# Altium PCB CMRat_GEN2.8.PcbDoc (part 1 of 4)
Units mm, origin at the board's own origin, x right, y up, seen from the top; angles counter-clockwise.
Board outline 120 x 55 mm, 4 copper layers (L1 [TOP], L2, L3, L4 [BOT]), stack 1.564 mm thick; 209 components, 138 nets, 839 pads, 645 vias.
Unrouted connection lines stored in the file: 141.
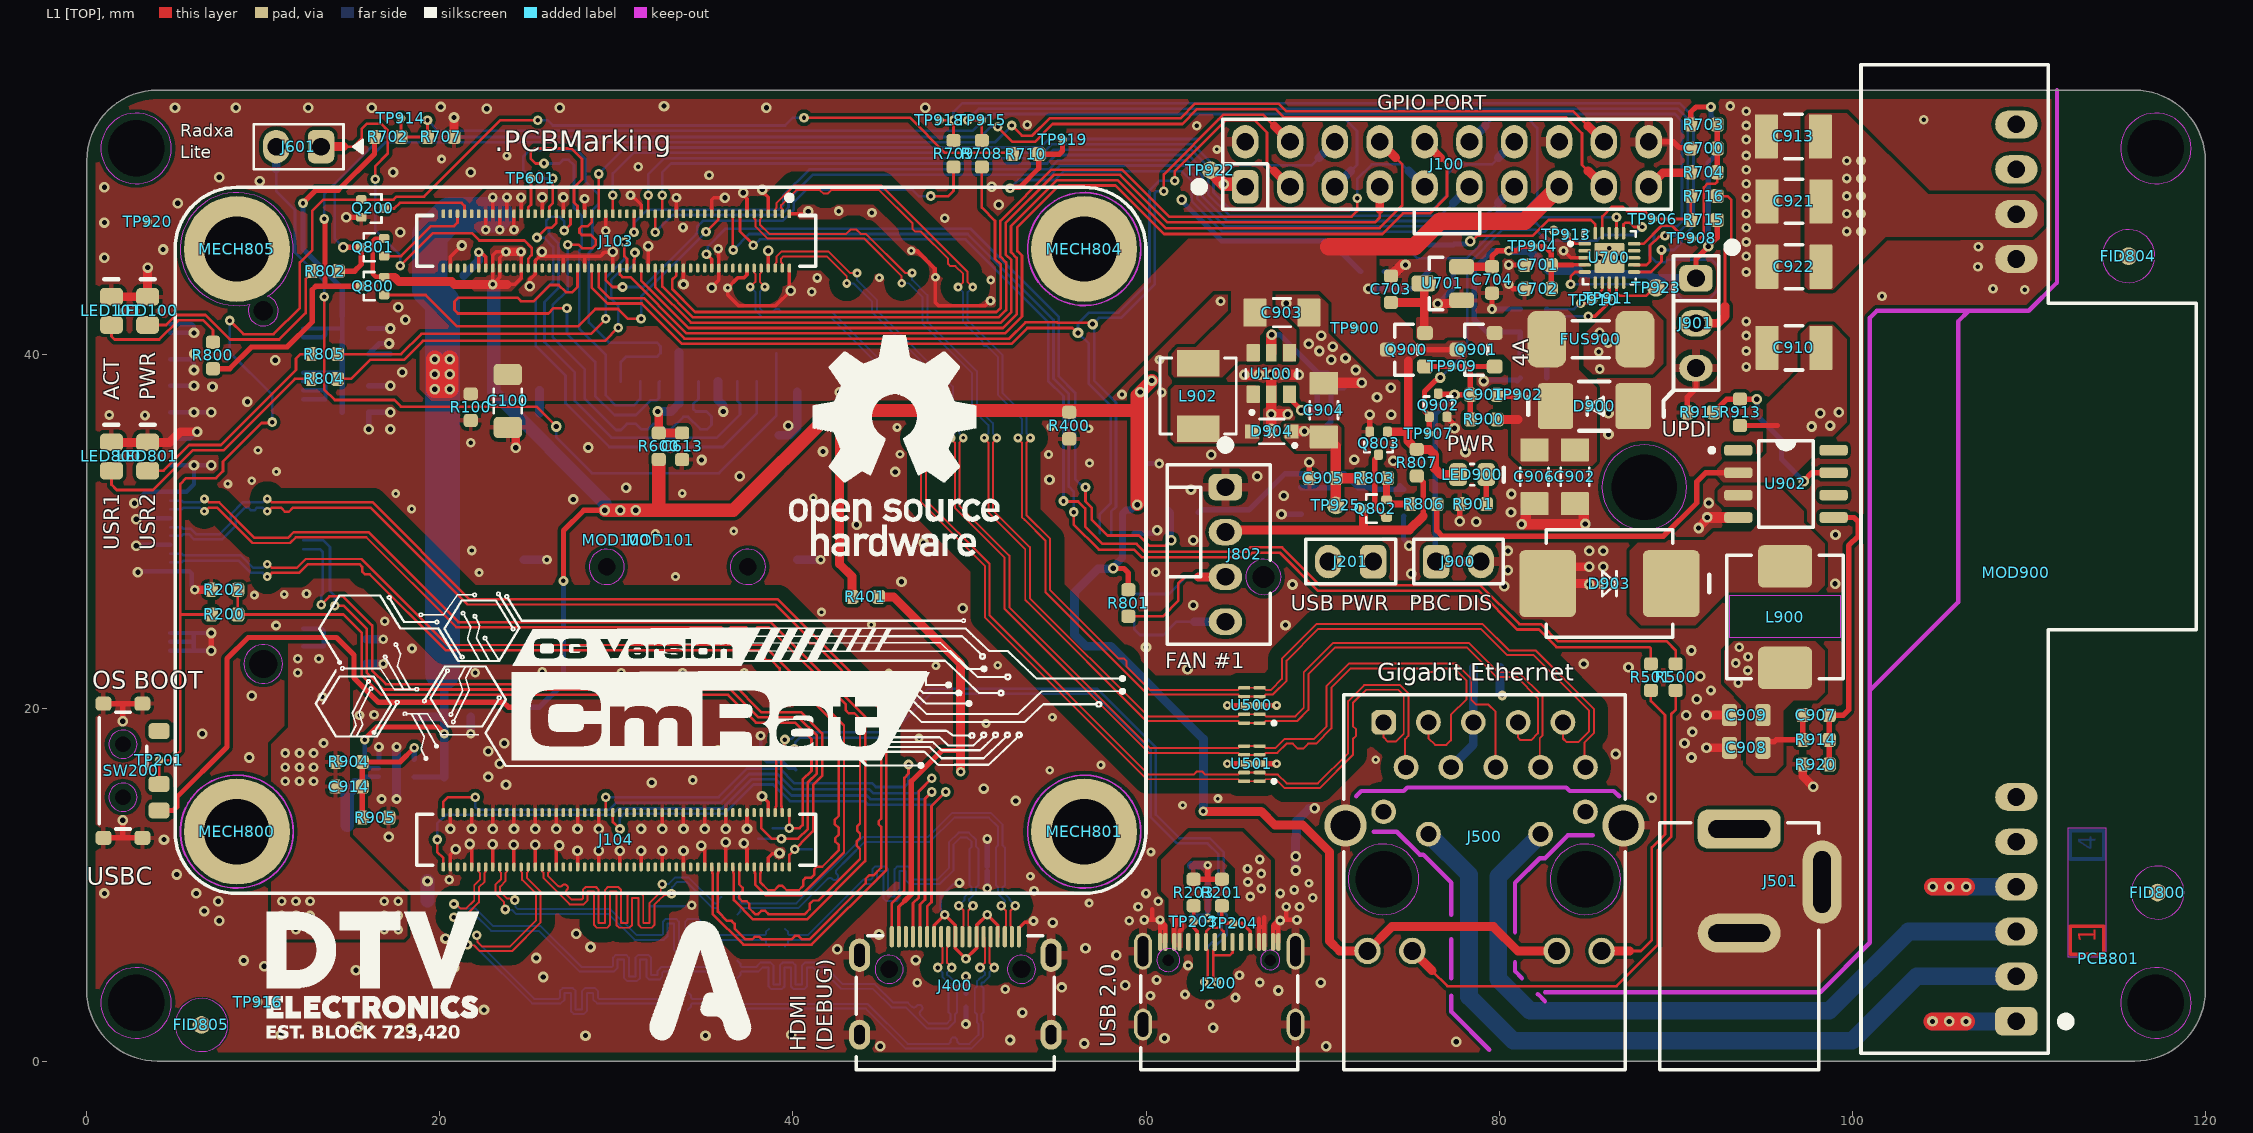
[diagram p0: L1 [TOP] view]
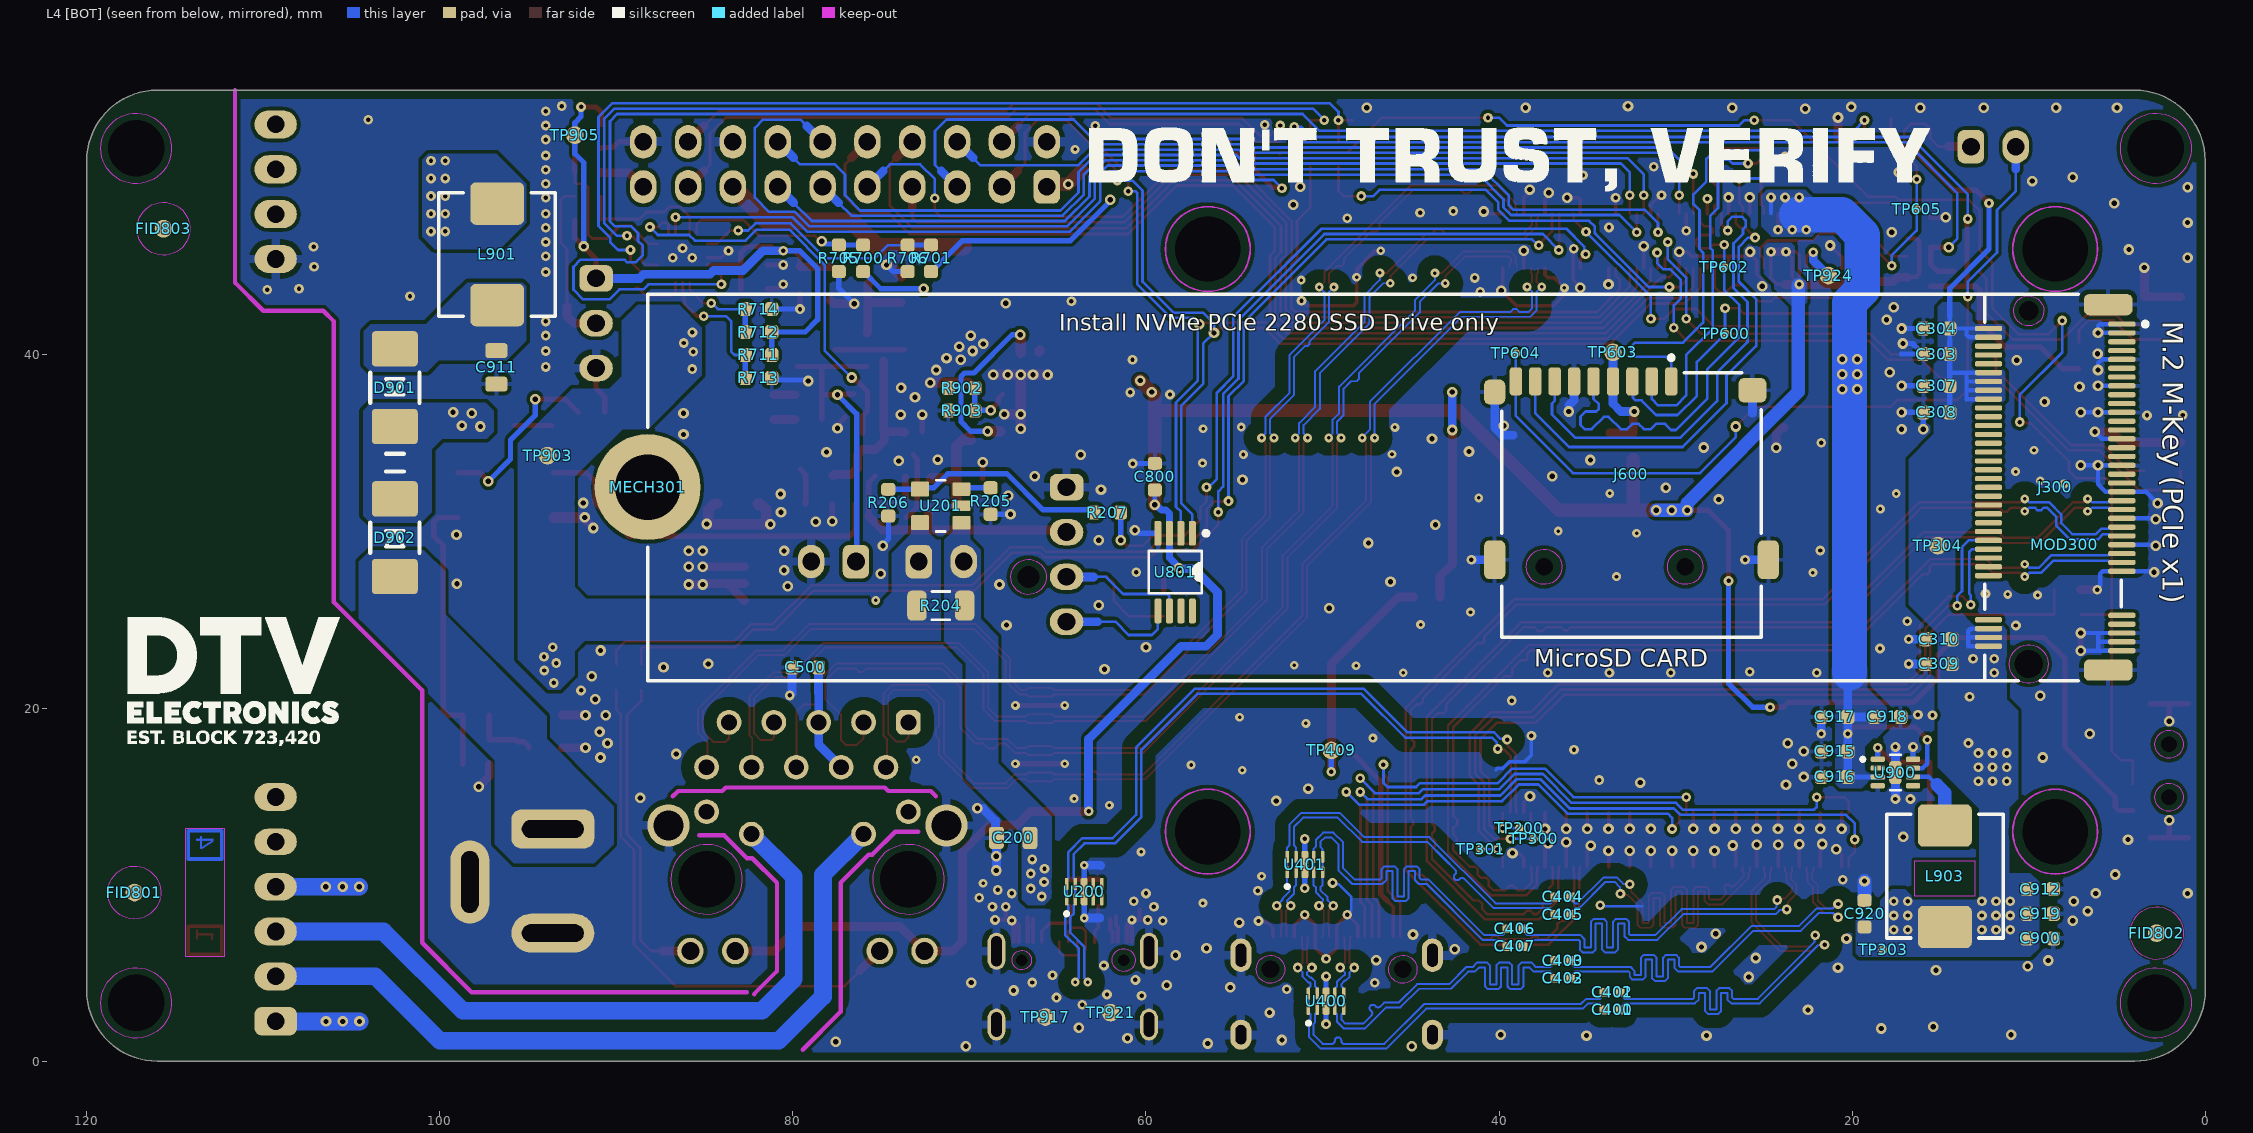
[diagram p1: L4 [BOT] view, seen from below]
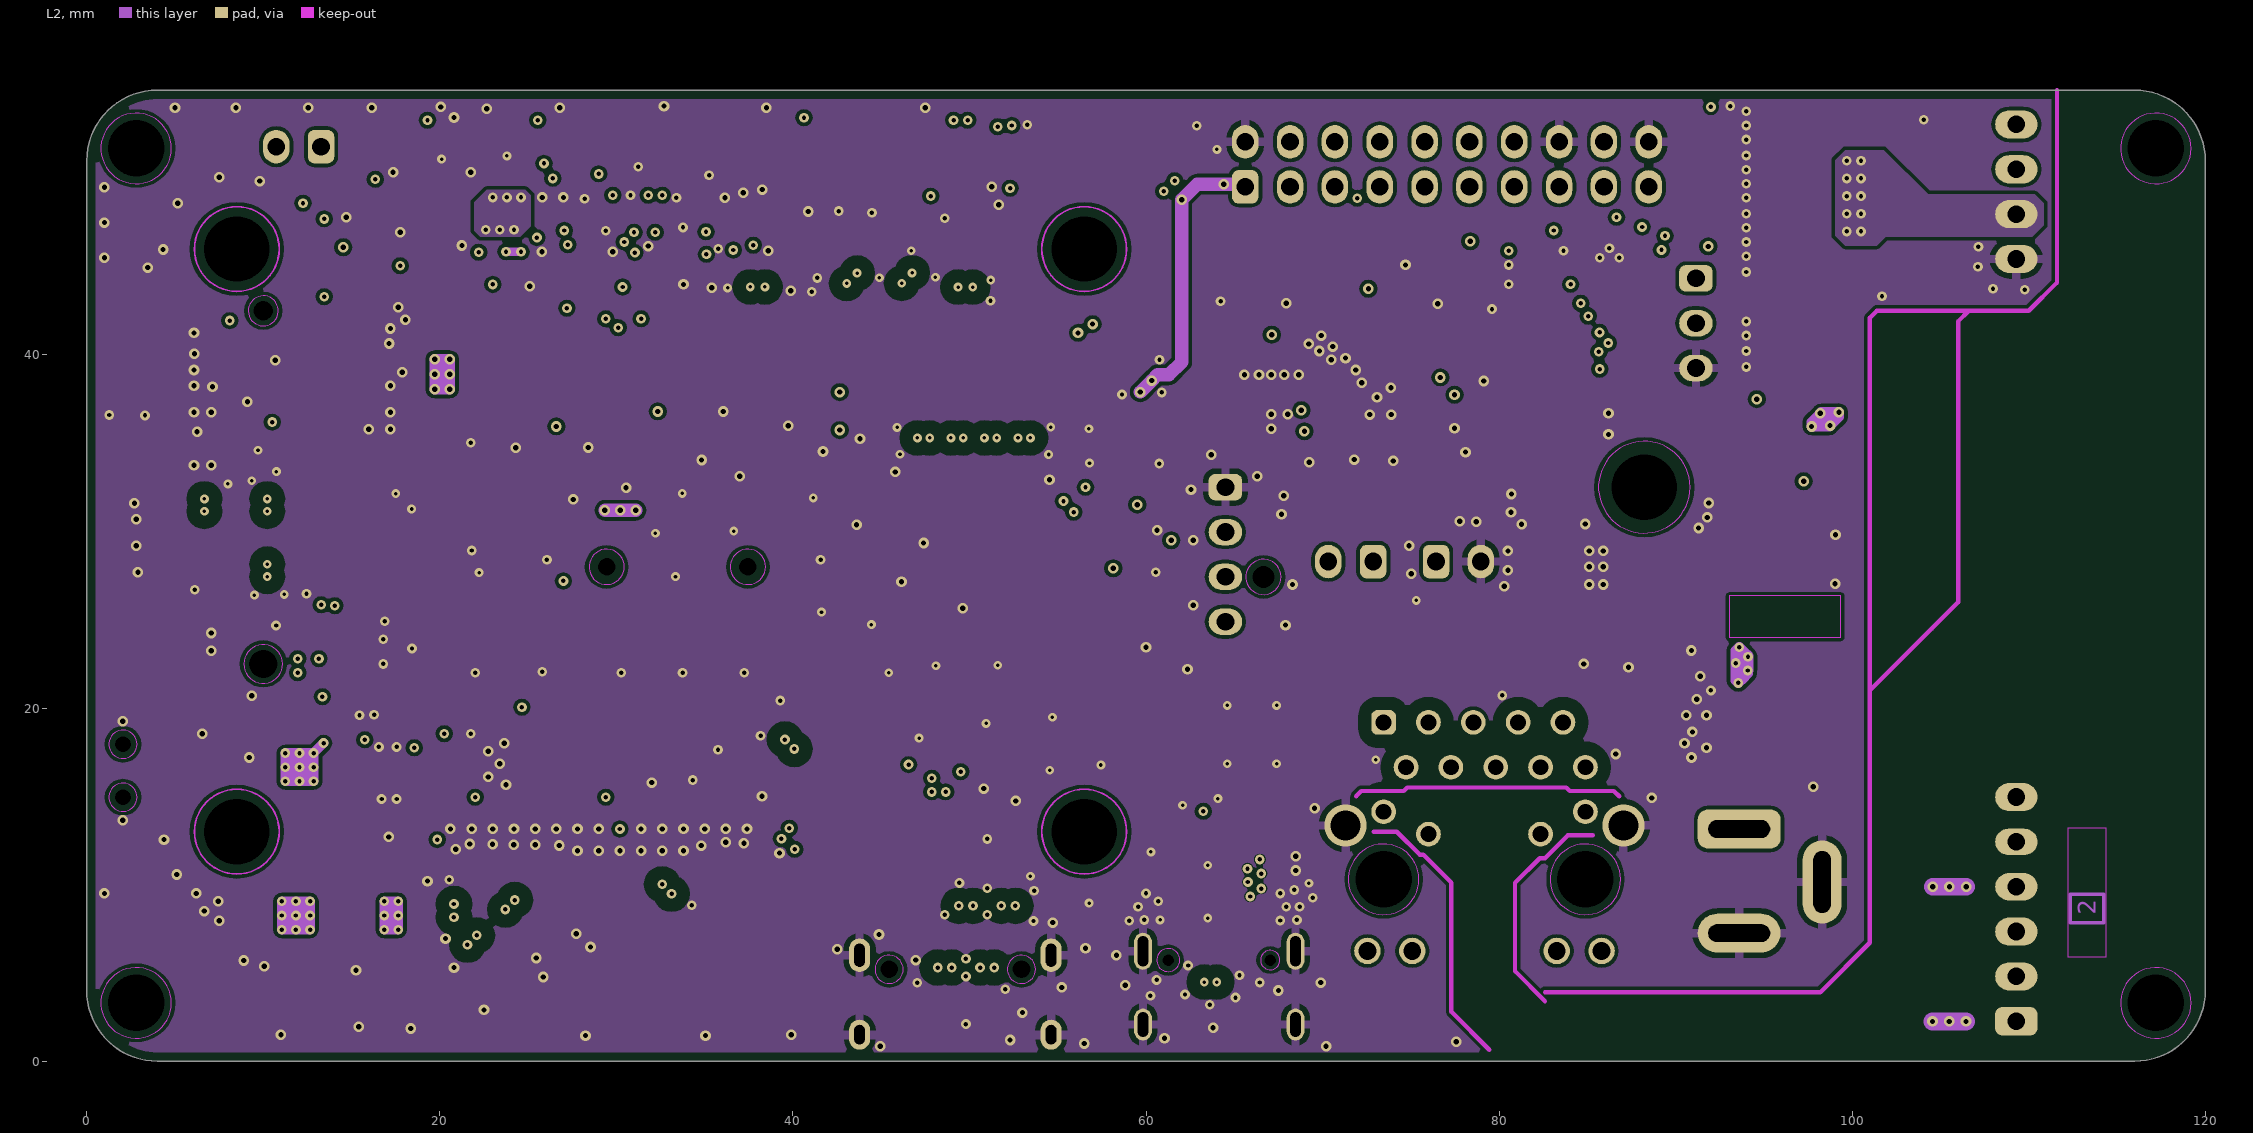
[diagram p2: L2]
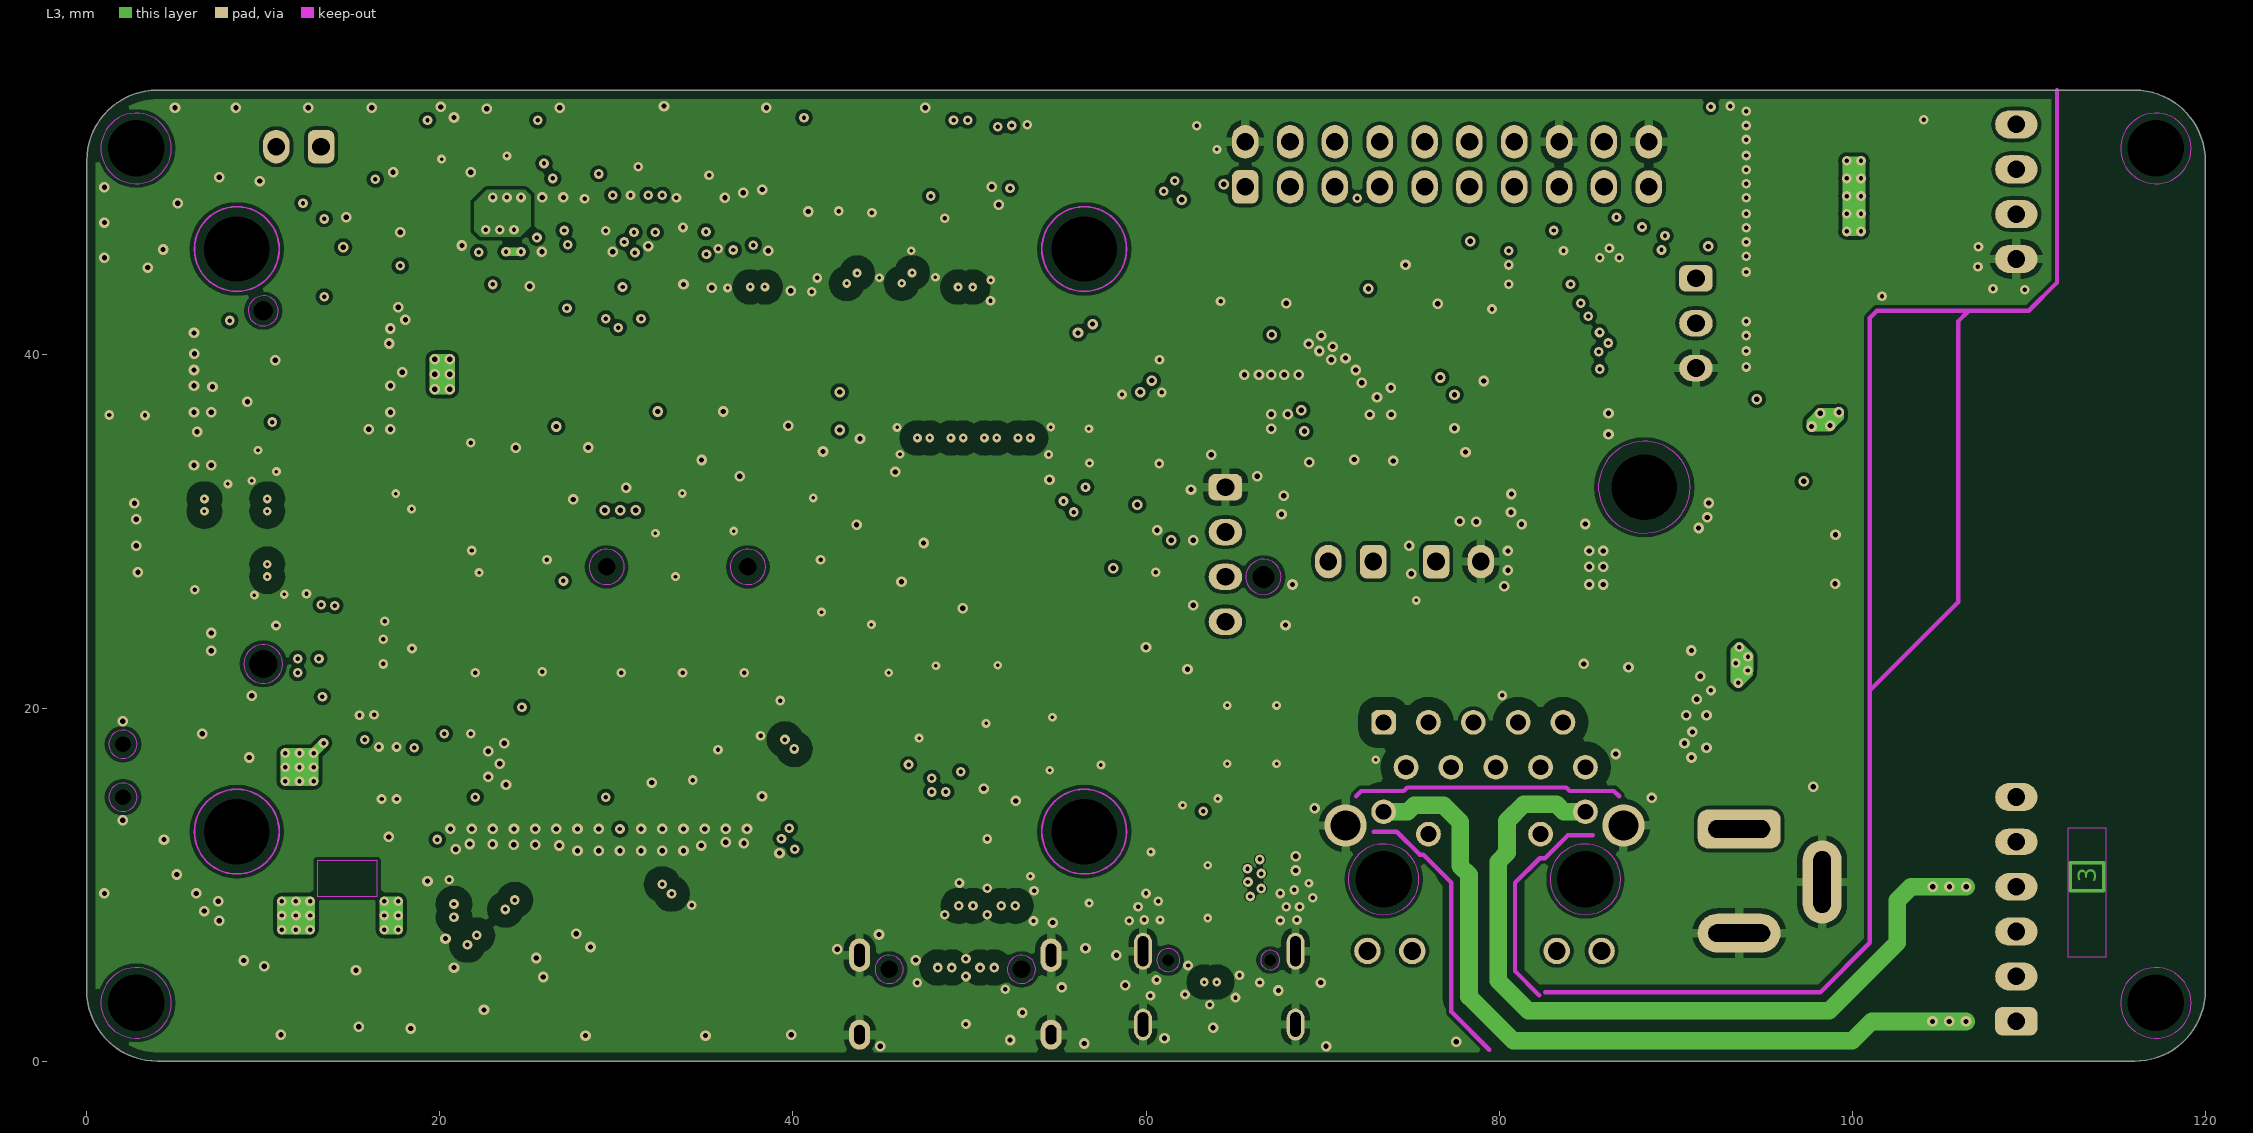
[diagram p3: L3]

## Layer stack, top to bottom
Solder [TOP]: solder mask 0.01, Solder Resist, Dk 3.5
L1 [TOP]: signal copper 0.035
prepreg #1: prepreg 0.0994, PP-006, Dk 4.05
L2: signal copper 0.0152
Core: dielectric 1.265, FR-4, Dk 4.05
L3: signal copper 0.0152
prepreg #2: prepreg 0.0994, PP-006, Dk 4.05
L4 [BOT]: signal copper 0.035
Solder [BOT]: solder mask 0.01, Solder Resist, Dk 3.5

## Board outline
0,4 0,51 cw(c4,51) 4,55 116,55 cw(c116,51) 120,51 120,4 cw(c116,4) 116,0 4,0 cw(c4,4)

## Design rules (kind name [scope] priority, off if disabled: settings)
BoardOutlineClearance BoardOutlineClearance_J200_J500 [InComponent('J200') or InComponent('J500')] p1: gap=0 ignorepadtopadclearanceinfootprint=FALSE
BoardOutlineClearance BoardOutlineClearance_Components [InComponentClass('ComponentsNearEdge')] p2: gap=0 ignorepadtopadclearanceinfootprint=FALSE
BoardOutlineClearance BoardOutlineClearance_Silk [IsText] p3: gap=0 ignorepadtopadclearanceinfootprint=FALSE
BoardOutlineClearance [All] p4: gap=0.5 ignorepadtopadclearanceinfootprint=FALSE
Clearance Clearance_POE_ROOM [WithinRoom('POE') and InNetClass('POE')] p1: gap=0.3 ignorepadtopadclearanceinfootprint=FALSE
Clearance Clearance_POE-POE [InNetClass('POE') vs InNetClass('POE')] p2: gap=0.5 ignorepadtopadclearanceinfootprint=FALSE
Clearance Clearance_POE [InNetClass('POE') vs not InNetClass('POE')] p3: gap=1 ignorepadtopadclearanceinfootprint=FALSE
Clearance Clearance_PCB950 [InComponent('PCB950') vs InComponent('PCB950')] p4: gap=0 ignorepadtopadclearanceinfootprint=FALSE
Clearance Clearance_Diff_to_Plane [InPolygon vs InAnyDifferentialPair] p5: gap=0.75 ignorepadtopadclearanceinfootprint=FALSE
Clearance Clearance_Diff [InAnyDifferentialPair vs InAnyDifferentialPair] p6 off: gap=0.75 ignorepadtopadclearanceinfootprint=FALSE // Diff_pair
Clearance Clearance_polygon [InPolygon] p7: gap=0.2 ignorepadtopadclearanceinfootprint=FALSE
Clearance [All] p8: gap=0.15 ignorepadtopadclearanceinfootprint=FALSE
DiffPairsRouting DiffPairsRouting_100R [InDifferentialPairClass('ETH') or InDifferentialPairClass('HDMI0') or InDifferentialPairClass('MIPI_DSI0')] p1: maxlimit=0.254 minlimit=0.152 mostfreqgap=0.254 toplayer_maxgap=0.152 toplayer_prefgap=0.152 toplayer_minwidth=0.111 toplayer_maxwidth=0.112 toplayer_prefwidth=0.111 bottomlayer_maxgap=0.152 bottomlayer_prefgap=0.152 bottomlayer_minwidth=0.111 bottomlayer_maxwidth=0.112 bottomlayer_prefwidth=0.111 impedanceprofiledriven=TRUE impedanceprofileid={0AA11F5F-7B39-405E-A812-6793AF921CFE} impedanceprofilevalue=100.000000 maxuncoupledlength=12.7 // Camera
DiffPairsRouting DiffPairsRouting_90R [InDifferentialPairClass('USB') or InDifferentialPairClass('PCIe')] p2: maxlimit=0.254 minlimit=0.152 mostfreqgap=0.254 toplayer_maxgap=0.152 toplayer_prefgap=0.152 toplayer_minwidth=0.141 toplayer_maxwidth=0.141 toplayer_prefwidth=0.141 bottomlayer_maxgap=0.152 bottomlayer_prefgap=0.152 bottomlayer_minwidth=0.141 bottomlayer_maxwidth=0.141 bottomlayer_prefwidth=0.141 impedanceprofiledriven=TRUE impedanceprofileid={B83E73D9-EFD9-4F1E-9800-E6CE0668C123} impedanceprofilevalue=90.000000 maxuncoupledlength=12.7 // USB
DiffPairsRouting [All] p3: maxlimit=0.254 minlimit=0.254 mostfreqgap=0.254 toplayer_minwidth=0.381 toplayer_maxwidth=0.381 toplayer_prefwidth=0.381 midlayer1_minwidth=0.381 midlayer1_maxwidth=0.381 midlayer1_prefwidth=0.381 midlayer2_minwidth=0.381 midlayer2_maxwidth=0.381 midlayer2_prefwidth=0.381 bottomlayer_minwidth=0.381 bottomlayer_maxwidth=0.381 bottomlayer_prefwidth=0.381 maxuncoupledlength=12.7
HoleSize [All] p1: absolutevalues=TRUE maxlimit=5 minlimit=0.2 maxpercent=80.000 minpercent=20.000
HoleToHoleClearance [All] p1: gap=0.4 allowstackedmicrovias=TRUE
MatchedLengths MatchedLengths_DiffPair [InDifferentialPairClass('ETH') or InDifferentialPairClass('HDMI0') or InDifferentialPairClass('PCIe')] p1: tolerance=0.1 checknetsindiffpair=TRUE checkdiffpairvsdiffpair=FALSE checkxsignals=FALSE checkothers=FALSE
MatchedLengths MatchedLengths_HDMI [InDifferentialPairClass('HDMI0')] p2: tolerance=3 checknetsindiffpair=FALSE checkdiffpairvsdiffpair=TRUE checkxsignals=TRUE checkothers=TRUE
MinimumAnnularRing [All] p1: minimumring=0.1
MinimumSolderMaskSliver [All] p1: minsoldermaskwidth=0.05
PlaneClearance [All] p1: clearance=0.5
PlaneConnect [All] p1: planeconnectstyle=Relief reliefexpansion=0.5 reliefentries=4 reliefconductorwidth=0.5 reliefairgap=0.3
PolygonConnect PolygonConnect_DIRECT [InPolygonClass('PolygonDIRECT')] p1: connectstyle=Direct reliefconductorwidth=0.254 reliefentries=4 polygonreliefangle="90 Angle" airgapwidth=0.254
PolygonConnect PolygonConnect_J300 [HasFootprint('CON_NGFF_KEY-M_P67_H420')] p2: connectstyle=Relief reliefconductorwidth=0.25 reliefentries=4 polygonreliefangle="90 Angle" airgapwidth=0.25
PolygonConnect PolygonConnect_TP [HasFootprint('PCB_TP_DBG_50') vs InNet('GND')] p3: connectstyle=Direct reliefconductorwidth=0.254 reliefentries=4 polygonreliefangle="90 Angle" airgapwidth=0.254
PolygonConnect PolygonConnect_via [IsVia] p4: connectstyle=Direct reliefconductorwidth=0.254 reliefentries=4 polygonreliefangle="90 Angle" airgapwidth=0.254
PolygonConnect [All] p5: thpad.connectstyle=Relief thpad.reliefconductorwidth=0.5 thpad.reliefentries=4 thpad.polygonreliefangle="90 Angle" thpad.airgapwidth=0.3 smdpad.connectstyle=Relief smdpad.reliefconductorwidth=0.25 smdpad.reliefentries=4 smdpad.polygonreliefangle="90 Angle" smdpad.airgapwidth=0.2 via.connectstyle=Direct via.reliefconductorwidth=0.2 via.reliefentries=4 via.polygonreliefangle="90 Angle" via.airgapwidth=0.3
RoomDefinition PBC [InComponentClass('PBC')] p1: confinementstyle=ConfineIn formatcopy=TRUE lockcomponents=FALSE outline 72.2,16.5 86.616,16.5 86.616,12.3 72.2,12.3
RoutingVias [All] p1: holewidth=0.3 width=0.65 viastyle="Through Hole" minholewidth=0.2 minwidth=0.45 maxholewidth=0.4 maxwidth=0.8
SilkToSilkClearance [All] p1: silktosilkclearance=0.15
SilkToSolderMaskClearance [IsPad] p1: minsilkscreentomaskgap=0.1 clearancetoexposedcopper=TRUE
SolderMaskExpansion SolderMaskExpansion_BGA [HasFootprint('ICC_FBGA153_1300X1150X80_P50')] p1: expansion=0.04 istentingtop=FALSE
SolderMaskExpansion SolderMaskExpansion_via [IsVia] p2: expansion=-10 istentingtop=FALSE
SolderMaskExpansion [All] p3: expansion=0.05 istentingtop=FALSE
Width [All] p1: maxlimit=4 minlimit=0.1 preferedwidth=0.2
22 further rules are at their usual default settings.

## Classes and differential pairs
polygon class PolygonDIRECT: DIR_5VIN_P001 DIR_GND_L01_P098 DIR_GND_L01_P099 DIR_L1_12V_IN DIR_L1_+5V DIR_L1_+5V_FUS DIR_L1_+5V_IN DIR_L1_D500_1 DIR_L1_NetC505_2 DIR_L1_NetD502_2 DIR_L1_POE_12V DIR_L4_+3V3_PCIE DIR_L4_+5V DIR_NETD904_A_L01_P038 DIR_VCC_12V_AUX_L01_P040 DIRECT_L1_+5V_IN DIRECT_L1_+5V_USB
net class POE: POE_A1 POE_A2 POE_B1 POE_B2
net class SD: CM_SD_CLK CM_SD_CMD CM_SD_DAT0 CM_SD_DAT1 CM_SD_DAT2 CM_SD_DAT3
component class MISC: C800 FID800 FID801 FID802 FID803 FID804 FID805 J802 LED100 LED101 LED800 LED801 MECH800 MECH801 MECH804 MECH805 PCB801 Q800 Q801 Q802 Q803 R800 R801 R802 R803 R804 R805 R806 R807 U801
differential pair class ETH: ETH_D0 ETH_D1 ETH_D2 ETH_D3
differential pair class PCIe: PCIe_CLK PCIe_RX PCIe_TX
differential pair class USB: CM_USB_D
differential pair class HDMI0: CM_HDMI0_CLK CM_HDMI0_D0 CM_HDMI0_D1 CM_HDMI0_D2
differential pair HDMI0_D2': +HDMI0_D2'_P -HDMI0_D2'_N
differential pair HDMI0_D1': +HDMI0_D1'_P -HDMI0_D1'_N
differential pair HDMI0_D0': +HDMI0_D0'_P -HDMI0_D0'_N
differential pair HDMI0_CLK': +HDMI0_CLK'_P -HDMI0_CLK'_N
differential pair CM_HDMI0_D2: +CM_HDMI0_D2_P -CM_HDMI0_D2_N
differential pair CM_HDMI0_D1: +CM_HDMI0_D1_P -CM_HDMI0_D1_N
differential pair CM_HDMI0_D0: +CM_HDMI0_D0_P -CM_HDMI0_D0_N
differential pair CM_HDMI0_CLK: +CM_HDMI0_CLK_P -CM_HDMI0_CLK_N
differential pair PCIe_TX: +PCIe_TX_P -PCIe_TX_N
differential pair PCIe_RX: +PCIe_RX_P -PCIe_RX_N
differential pair PCIe_CLK: +PCIe_CLK_P -PCIe_CLK_N
differential pair ETH_D3: +ETH_D3_P -ETH_D3_N
differential pair ETH_D2: +ETH_D2_P -ETH_D2_N
differential pair ETH_D1: +ETH_D1_P -ETH_D1_N
differential pair ETH_D0: +ETH_D0_P -ETH_D0_N
differential pair CM_USB_D: +CM_USB_D_P -CM_USB_D_N

## Components (designator, comment, footprint, x,y, rotation, side; value= is the part's Value field where it differs from the comment)
C100 "100uF/6V3" CAP_1206_R 23.85,37.394 r90 top
C200 "22uF/16V" CAP_0805_R 67.525,12.65 r180 bottom
C303 "10uF" CAP_0603_R 15.225,40.05 r180 bottom
C304 "100nF" CAP_0603_R 15.225,41.5 r180 bottom
C307 "10uF" CAP_0603_R 15.225,38.25 r180 bottom
C308 "100nF" CAP_0603_R 15.225,36.75 r180 bottom
C309 "10uF" CAP_0603_R 15.1,22.5 r180 bottom
C310 "100nF" CAP_0603_R 15.1,23.9 r180 bottom
C400 "0R" RES_0402_R 36.4,5.7 r180 bottom
C400 "220n/50V" CAP_0402_R 33.6,2.9 r0 bottom value=220nF
C401 "0R" RES_0402_R 33.6,2.9 r180 bottom
C401 "220n/50V" CAP_0402_R 33.6,3.9 r0 bottom value=220nF
C402 "0R" RES_0402_R 33.6,3.9 r180 bottom
C402 "220n/50V" CAP_0402_R 36.4,4.7 r0 bottom value=220nF
C403 "0R" RES_0402_R 36.4,4.7 r180 bottom
C403 "220n/50V" CAP_0402_R 36.4,5.7 r0 bottom value=220nF
C404 "0R" RES_0402_R 36.4,9.3 r180 bottom
C404 "220n/50V" CAP_0402_R 36.4,9.3 r0 bottom value=220nF
C405 "0R" RES_0402_R 36.4,8.3 r180 bottom
C405 "220n/50V" CAP_0402_R 36.4,8.3 r0 bottom value=220nF
C406 "0R" RES_0402_R 39.1,7.5 r180 bottom
C406 "220n/50V" CAP_0402_R 39.1,7.5 r0 bottom value=220nF
C407 "0R" RES_0402_R 39.1,6.5 r180 bottom
C407 "220n/50V" CAP_0402_R 39.1,6.5 r0 bottom value=220nF
C500 "100nF" CAP_0603_R 79.3,22.3 r180 bottom
C613 "10uF" CAP_0603_R 33.725,34.825 r90 top
C700 "100nF" CAP_0603_R 91.6,51.7 r0 top
C701 "100nF" CAP_0603_R 82.2,45.1 r0 top
C702 "10uF" CAP_0603_R 82.2,43.75 r0 top
C703 "10uF" CAP_0603_R 73.875,43.725 r270 top
C704 "10uF" CAP_0603_R 79.6,44.25 r90 top
C800 "100nF" CAP_0603_R 59.5,33.1 r270 bottom
C900 "10uF" CAP_0603_R 9.35,6.95 r0 bottom
C901 "100nF" CAP_0603_R 79.125,37.75 r0 top
C902 "100u/6.3V" CAP_1206_H190_R 84.3,33.1 r90 top
C903 "10u/50V" CAP_1206_H190_R 67.7,42.4 r180 top
C904 "10u/50V" CAP_1206_H190_R 70.075,36.875 r270 top
C905 "1u/50V" CAP_0603_R 70,33.025 r180 top
C906 "100u/6.3V" CAP_1206_H190_R 82,33.1 r90 top
C907 "DNP" CAP_0603_R 97.95,19.6 r180 top
C908 "22uF/16V" CAP_0805_R 94,17.75 r0 top
C909 "22uF/16V" CAP_0805_R 94,19.6 r0 top
C910 "100u/16V" CAP_1210_H280_R 96.7,40.4 r0 top value=100uF
C911 "22uF/16V" CAP_0805_R 96.8,39.3 r90 bottom
C912 "10uF" CAP_0603_R 9.35,9.75 r0 bottom
C913 "100u/16V" CAP_1210_H280_R 96.67,52.376 r0 top value=100uF
C914 "22pF" CAP_0603_R 14.85,15.55 r180 top
C915 "10uF" CAP_0603_R 21,17.55 r180 bottom
C916 "10uF" CAP_0603_R 21,16.1 r180 bottom
C917 "10uF" CAP_0603_R 21,19.5 r180 bottom
C918 "10uF" CAP_0603_R 18,19.5 r0 bottom
C919 "10uF" CAP_0603_R 9.35,8.35 r0 bottom
C920 "10uF" CAP_0603_R 19.3,8.35 r270 bottom
C921 "100u/16V" CAP_1210_H280_R 96.7,48.7 r0 top value=100uF
C922 "100u/16V" CAP_1210_H280_R 96.7,45 r0 top value=100uF
D900 "SMAJ5.0A" DIO_SMA_UNI_R 85.4,37.1 r0 top
D901 "SS13 (1A/30V)" DIO_SMA_UNI_R 102.55,38.15 r90 bottom
D902 "SS13 (1A/30V)" DIO_SMA_UNI_R 102.55,29.65 r270 bottom
D903 "SK33 (3A/SMC)" DIO_SMC_UNI_R 86.25,27.05 r180 top
D904 "1N5819" DIO_SOD-323_R 67.125,35.675 r180 top
FID800 "Fiducial" PCB_FID_RND_100X300 117.3,9.55 r0 top
FID801 "Fiducial" PCB_FID_RND_100X300 117.3,9.55 r90 bottom
FID802 "Fiducial" PCB_FID_RND_100X300 2.75,7.25 r90 bottom
FID803 "Fiducial" PCB_FID_RND_100X300 115.65,47.15 r180 bottom
FID804 "Fiducial" PCB_FID_RND_100X300 115.65,45.6 r0 top
FID805 "Fiducial" PCB_FID_RND_100X300 6.5,2.05 r0 top
FUS900 "4A/125VDC" FUS_2410_R 85.2,40.9 r180 top
J100 "HDR 2x10" CON_HDR_P254_2X10_STR 77.05,50.795 r0 top locked
J103 "Mezzanine, 100pin, 3.0mm" PCB_BLANK_COMP_SMD 30,46.45 r90 top locked
J104 "Mezzanine, 100pin, 3.0mm" PCB_BLANK_COMP_SMD 30,12.55 r90 top locked
J200 "U262-161N-4BVC11" CON_XKB_U262-161N-4BVC11 64.15,3.15 r0 top
J201 "HDR 1x2" CON_HDR_P254_1X02_STR 71.6,28.3 r180 top
J300 "M.2/NGFF M-Key H4.2" CON_NGFF_KEY-M_P67_H420 8.5,32.5 r270 bottom
J400 "Mini HDMI connector (Type C), angled, SMD" CON_XKB_A71-05H4-1X1N1 49.2,3.3 r0 top
J500 "LPJG0926HENL" CON_LPP_LPJG0926HENL 79.181,10.117 r0 top
J501 "5A, 2.0mm" CON_XKB_DC-005-5A-2.0 93.6,7.25 r90 top
J600 "MicroSD Card (Slot)" CON_GCT_MEM2055_R 32.5,31.5 r180 bottom
J601 "HDR 1x2" CON_HEADER_TMV_1X2_P254H857 12,51.8 r180 top
J802 "MLX 470531000" CON_MLX_470531000 64.5,28.7 r270 top locked
J900 "HDR 1x2" CON_HDR_P254_1X02_STR 77.7,28.3 r0 top
J901 "HDR 1x3" CON_HDR_P254_1X03_STR 91.15,41.8 r270 top
L900 "15uH" IND_SUM_0630CDMCCDS_700X660X280_R 96.2,25.15 r270 top
L901 "2u2H" IND_SUM_0624CDMCCDS_700X660X240_R 96.75,45.7 r270 bottom
L902 "4u7" IND_POWER_0402_R 62.95,37.675 r270 top
L903 "2u2H" IND_SUM_0624CDMCCDS_700X660X240_R 14.75,10.475 r270 bottom
LED100 "Red" LED_0805_RED_R 3.45,42.5 r270 top
LED101 "Green" LED_0805_GRN_R 1.4,42.5 r270 top
LED800 "Green" LED_0805_GRN_R 1.4,34.25 r270 top
LED801 "Red" LED_0805_RED_R 3.45,34.25 r270 top
LED900 "Green" LED_0805_GRN_R 78.475,33.225 r180 top
MECH301 "M2.5, L = 2.5mm" PCB_WRT_9774030151 88.227,32.512 r0 bottom value="M2.5, L = 2.5mm"
MECH800 "M2.5, L = 3.0mm" PCB_WRT_9774030151 8.5,13 r180 top value="M2.5, L = 3.0mm"
MECH801 "M2.5, L = 3.0mm" PCB_WRT_9774030151 56.5,13 r180 top value="M2.5, L = 3.0mm"
MECH804 "M2.5, L = 3.0mm" PCB_WRT_9774030151 56.5,46 r180 top value="M2.5, L = 3.0mm"
MECH805 "M2.5, L = 3.0mm" PCB_WRT_9774030151 8.5,46 r180 top value="M2.5, L = 3.0mm"
MOD100 "RPi CM4 Module" MOD_RPI_CM4_SOCKET_P40_C300 32.5,29.5 r90 top locked
MOD101 "CM4 Module (3D Model)" MOD_RPI_CM4_3D_C300_A1 32.5,29.5 r90 top locked